# Altium PCB PCB1.pcbdoc (part 2 of 4)
Units mm, origin at the board's own origin, x right, y up, seen from the top; angles counter-clockwise.
Board outline 94.87 x 122.94 mm, 4 copper layers (Top Layer, Inner1, Inner2, Bottom Layer); 129 components, 127 nets, 713 pads, 345 vias.
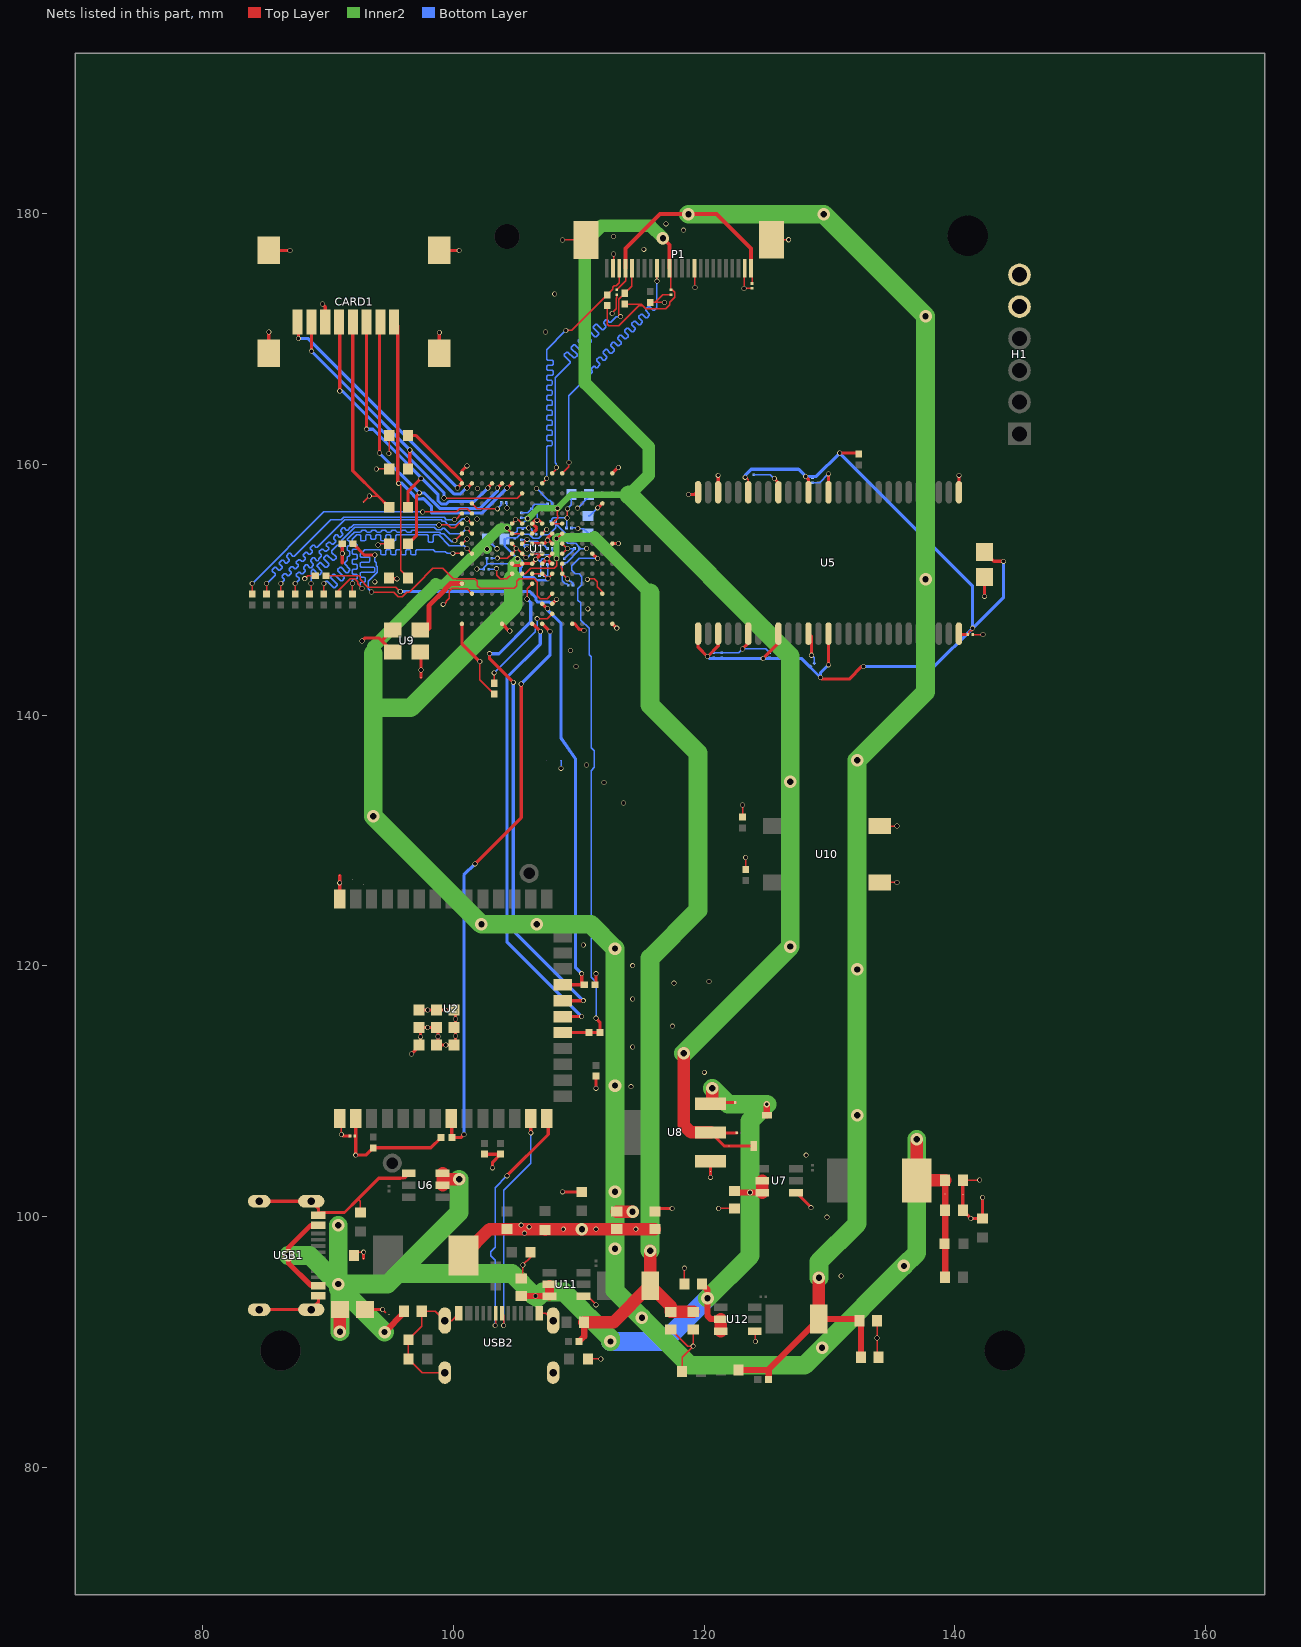
[diagram p4: the nets of this part, all layers, seen from the top]

## Via types
v1: diameter 0.4, hole 0.3, Top Layer to Bottom Layer, 308 vias
v2: diameter 1, hole 0.5, Top Layer to Bottom Layer, 35 vias
v3: diameter 0.5, hole 0.3, Top Layer to Bottom Layer, 2 vias

## Nets (pads, with @x,y where several pads share a name; then routed paths per layer and width w, separated by ;. In a path a pad name is that pad's centre, name@x,y a point inside that pad or via, vN(x,y) a via of type N, cw(c..) or ccw(c..) an arc to the next point about the centre after c; other vN are vias at no path point) (continued)
$2N5507: R23.2 U1.P10 | length 20.1
  Top Layer w0.1: R23.2@89.841,151.13 92.456,151.13 92.562,151.024 92.562,150.836 93.178,150.22 95.398,150.22 v1(95.758,149.86)
  Top Layer w0.254: U1.P10@107.88,148.889 108.204,149.213 v1@108.204,149.225
  Bottom Layer w0.254: v1(95.758,149.86) 106.11,149.86 106.589,149.381 106.589,149.159 106.73,149.018 107.676,149.018 107.776,148.918 107.897,148.918 v1(108.225,149.246)
$2N5509: R24.2 U1.N10 | length 23.9
  Top Layer w0.1: v1(93.472,149.818) 95.231,149.818 95.591,149.458 95.925,149.458 96.285,149.818 96.478,149.818 97.722,151.062 97.722,151.067 98.358,151.703 99.151,151.703 99.983,150.871 101.694,150.871 101.898,150.667 101.898,150.331 102.122,150.107 104.038,150.107 104.045,150.114 104.515,150.114 104.522,150.107 104.838,150.107 105.062,150.331 105.062,150.689 105.244,150.871 106.438,150.871 106.698,150.611 106.698,149.531 106.922,149.307 107.498,149.307 U1.N10@107.88,149.689
  Top Layer w0.254: R24.2@92,153.67 92.889,152.781 v1(93.726,152.781)
  Bottom Layer w0.1: v1(93.472,149.818) 93.218,150.072 93.218,150.697 93.926,151.405 93.926,151.829 93.853,151.902 93.853,152.146 93.726,152.273 v1(93.726,152.781)
$2N5511: R25.2 U1.R10 | length 7.9
  Top Layer w0.1: R25.2@103.251,142.546 v1(103.251,143.383) ; v1(106.68,147.701) 107.492,147.701 U1.R10@107.88,148.089
  Bottom Layer w0.1: v1(103.251,143.383) 106.532,146.664 106.532,146.852 106.68,147 v1(106.68,147.701)
+1V1: C25.2 C27.2 C28.2 C41.1 C42.1 C43.1 C44.1 C49.1 C53.1 C54.1 C61.1 L2.2 pad.55@139.233,101.796 R15.2 U1.G6 U1.G7 U1.L8 U1.L9 U1.L10 | length 172.4
  Top Layer w0.1: v1@104.267,154.94 104.267,154.902 U1.G6@104.68,154.489 U1.G7@105.48,154.489 ; U1.L8@106.28,151.289 U1.L9@107.08,151.289 107.146,151.289 v1(107.539,150.897) 107.88,151.238 U1.L10@107.88,151.289
  Top Layer w0.5: C25.2@139.233,95.162 C28.2@139.233,100.496 pad.55@139.233,101.796 C27.2@139.233,102.909
  Top Layer w1: v2(136.969,106.172) L2.2@136.969,102.864 137.014,102.909 C27.2@139.233,102.909
  Inner2 w0.7: 98.601,150.439 98.614,150.426 ; 103.835,154.932 v1(104.275,154.932)
  Inner2 w0.8: 98.601,150.439 99.936,150.439 ; 99.418,150.613 101.342,152.537 101.403,152.537 101.844,152.978 101.844,153.039 102.371,153.567 ; 99.949,150.426 99.936,150.439 ; v1(102.689,153.249) 102.371,153.567 ; 103.835,154.932 103.813,154.909 103.714,154.909 102.371,153.567 ; v1@105.039,152.302 104.728,151.99 104.728,150.859 104.308,150.439 99.936,150.439
  Inner2 w1: 93.612,145.444 96.696,148.528 96.696,148.534 98.601,150.439
  Inner2 w1.5: 93.609,144.917 93.609,140.564 ; 104.728,150.859 104.775,150.812 104.775,148.785 96.579,140.589 93.634,140.589 93.609,140.564 ; v2(136.969,106.172) 136.969,97.091 v2(135.94,96.062) v2(129.41,89.532) 128.016,88.138 118.841,88.138 v2(115.042,91.937) 112.89,94.089 v2(112.89,97.437) v2(112.89,101.976) v2(112.89,110.453) v2(112.89,121.382) 110.955,123.317 v2(106.641,123.317) v2(102.235,123.317) v2(93.609,131.943) 93.609,140.564
  Bottom Layer w0.1: C61.1@104.205,154.051 104.309,154.155 105.057,154.155 105.33,154.427 106.05,154.427 106.357,154.12 106.801,154.12 107.09,154.411 107.609,154.411 108.145,154.948 108.145,155.194 ; C53.1@107.256,151.13 107.442,151.13 107.51,151.062 C49.1@107.51,152.019 ; C43.1@108.145,155.448 108.145,155.194 ; C44.1@109.161,154.178 109.161,154.289 108.256,155.194 108.145,155.194
  Bottom Layer w0.2: C61.1@104.078,154.051 104.078,153.518 v1(105.117,152.479) 105.245,152.479 105.339,152.385 105.339,152.381 105.445,152.275 105.445,151.859 C54.1@105.351,151.765 105.351,151.316 105.664,151.003 106.422,151.003 106.676,150.749 107.525,150.749 v1@107.539,150.762
+1V8: C29.1 C32.2 C35.1 C62.1 C63.1 P1.11 pad.55@121.997,105.627 R38.2 R39.2 U1.F10 U1.F11 U8.2 | length 124.4
  Top Layer w0.1: v1(108.312,156.504) 108.312,156.262 108.298,156.247 108.298,155.931 108.312,155.917 108.312,155.721 U1.F10@107.88,155.289 U1.F11@108.68,155.289 ; R38.2@112.268,172.668 112.268,172.205 112.264,172.201 112.264,171.2 112.395,171.069 113.177,171.069 114.776,172.668 115.112,172.668 ; R39.2@113.665,172.795 114.985,172.795 115.112,172.668 ; P1.11@117.237,175.655 117.336,175.557 117.336,174.458 117.348,174.446 C35.1@117.348,173.931 ; 117.459,173.931 117.66,173.73 117.66,173.352 117.242,172.934 117.242,172.756 116.924,172.437 115.343,172.437 115.112,172.668
  Top Layer w0.254: C29.1@122.614,106.68 120.546,106.68 121.599,105.627 pad.55@121.997,105.627 C32.2@123.952,105.627
  Top Layer w0.3: v2(116.713,178.054) 117.237,177.53 P1.11@117.237,175.655
  Top Layer w1: v2(118.364,113.03) 118.364,107.315 118.97,106.709 U8.2@120.517,106.709
  Inner2 w0.5: v1(105.928,155.689) 105.965,155.689 106.781,156.504 v1(108.312,156.504) 108.491,156.683 108.491,156.713 109.353,157.575 114.014,157.575
  Inner2 w1: 114.014,157.575 115.57,159.131 115.57,161.417 110.49,166.497 110.49,177.71 111.813,179.033 115.734,179.033 v2(116.713,178.054)
  Inner2 w1.5: 114.014,157.575 126.873,144.716 v2(126.873,134.685) v2(126.873,121.539) v2(118.364,113.03)
  Bottom Layer w0.1: C63.1@105.41,155.761 105.856,155.761 v1(105.928,155.689) 105.537,155.298 C62.1@105.537,155.262
+2V5: C65.2 C67.2 C68.2 L3.2 R41.2 U1.G11 U1.L7 | length 86.3
  Top Layer w0.1: U1.L7@105.48,151.289 105.74,151.289 106.158,151.707 108.038,151.707 108.262,151.931 108.262,152.247 108.232,152.277 v1(108.232,152.489) ; v1(108.232,154.089) 108.632,154.489 U1.G11@108.68,154.489
  Top Layer w0.5: R41.2@110.034,90.043 110.428,90.437 C65.2@110.428,91.567
  Top Layer w1: C65.2@110.428,91.567 112.773,91.567 L3.2@115.694,94.488 ; v2(115.694,97.282) L3.2@115.694,94.488 ; C67.2@119.126,92.394 C68.2@117.348,92.394 117.348,92.834 L3.2@115.694,94.488
  Inner2 w0.5: v1(108.232,152.489) v1(108.232,154.089)
  Inner2 w0.7: v1(108.232,154.089) 108.321,154.178 111.252,154.178
  Inner2 w1: 111.252,154.178 115.694,149.736
  Inner2 w1.5: v2(115.694,97.282) 115.694,120.619 119.507,124.432 119.507,136.989 115.694,140.802 115.694,149.736
+2V8: C34.1 C70.2 C72.2 C73.2 C74.1 L4.2 P1.4 P1.24 R47.2 | length 139.5
  Top Layer w0.1: C34.1@113.03,173.931 113.738,174.639 P1.4@113.738,175.655 ; P1.24@123.739,175.652 123.825,175.566 C74.1@123.825,174.439
  Top Layer w0.3: P1.4@113.738,175.655 113.738,177.23 116.488,179.98 120.986,179.98 123.739,177.227 P1.24@123.739,175.652
  Top Layer w0.5: C70.2@122.747,87.757 125.092,87.757 ; R47.2@125.147,86.995 125.147,87.702 125.092,87.757 ; C73.2@132.396,91.694 132.269,91.821 L4.2@129.156,91.821 125.092,87.757 ; C72.2@132.523,88.773 C73.2@132.523,91.567
  Top Layer w1: L4.2@129.159,91.824 v2(129.159,95.123)
  Inner2 w1.5: v2(118.745,179.959) v2(129.54,179.959) v2(137.668,171.831) v2(137.668,150.833) 137.668,141.859 v2(132.207,136.398) v2(132.207,119.716) v2(132.207,108.091) 132.207,99.441 129.159,96.393 v2(129.159,95.123)
+3V3: C8.1 C10.1 C11.1 C12.1 C13.1 C14.1 C15.2 C16.2 C17.2 C19.2 C22.2 C23.2 C37.1 C39.1 C40.1 C45.1 C46.1 C47.1 C48.1 C50.1 C51.1 C52.1 C55.1 C56.1 C57.1 C58.1 C59.1 CARD1.4 H1.5 L1.2 pad.55@92.806,156.993 R1.2 R3.1 R4.1 R5.2 R7.2 R11.2 R16.2 R17.2 R18.2 R19.2 R20.2 R21.2 R22.2 R23.1 U1.F6 U1.F7 U1.G9 U1.H6 U1.H7 U1.H11 U1.J6 U1.J7 U1.J11 U1.K11 U1.L6 U1.L11 U2.2 U5.1 U5.3 U5.9 U5.14 U5.27 U5.43 U5.49 U9.1 U9.4 | length 156.7
  Top Layer w0.1: v1(88.14,150.887) 88.383,151.13 R23.1@88.975,151.13 ; pad.55@92.806,156.993 v1(93.293,157.48) 93.985,157.48 93.987,157.482 ; v1(93.853,159.639) R18.2@94.878,159.639 ; v1(93.98,153.585) 94.065,153.67 R17.2@94.878,153.67 ; v1@94.878,160.909 R19.2@94.878,162.306 ; v1(103.432,151.689) 103.462,151.659 103.462,151.167 103.753,150.876 104.267,150.876 U1.L6@104.68,151.289 ; v1@103.505,152.527 103.702,152.527 103.722,152.507 104.298,152.507 U1.J6@104.68,152.889 105.008,153.217 v1(105.008,153.288) ; U1.H6@104.68,153.689 105.008,153.361 v1(105.008,153.288) ; U1.F6@104.68,155.289 104.948,155.557 v1(104.948,155.607) 105.162,155.607 U1.F7@105.48,155.289 ; U1.H7@105.48,153.689 105.528,153.689 v1(105.864,154.025) ; v1@105.791,152.527 105.791,152.578 U1.J7@105.48,152.889 105.081,153.288 v1(105.008,153.288) ; U1.G9@107.08,154.489 107.404,154.813 v1(107.442,154.813) ; U1.K11@108.68,152.089 108.68,151.962 108.585,151.867 108.585,151.765 108.68,151.67 U1.L11@108.68,151.289 v1(109.093,150.876) ; U1.J11@108.68,152.889 109.08,153.289 v1(109.093,153.289) 108.693,153.689 U1.H11@108.68,153.689 ; v1(123.277,158.977) 123.344,158.977 123.521,158.8 U5.49@123.521,157.788 ; C14.1@141.029,146.431 141.112,146.514 141.112,146.625 141.23,146.743 141.341,146.743 141.419,146.821 v1(141.419,146.939)
  Top Layer w0.254: CARD1.4@91.975,171.374 91.975,159.494 93.987,157.482 R20.2@94.878,156.591 ; U2.2@92.324,107.836 92.202,107.714 v1(92.202,104.902) 93.016,104.902 R7.2@93.599,105.485 98.194,105.485 R5.2@99.008,106.299 ; v1(92.71,145.923) 92.931,146.144 94.07,146.144 94.291,145.923 ; R16.2@94.874,150.952 94.949,150.876 v1(95.504,150.876) ; U9.1@95.166,145.048 94.291,145.923 ; U9.4@95.166,146.798 94.291,145.923 ; R21.2@102.489,104.977 R22.2@103.759,104.977 103.124,104.342 v1(103.124,103.886) ; R3.1@111.304,118.491 111.379,118.566 v1(111.379,119.38) ; v1(111.379,110.236) R4.1@111.379,111.2 ; U5.1@119.521,146.631 119.521,145.422 v1(120.269,144.674) 121.121,145.526 U5.3@121.121,146.504 ; v1(124.714,144.526) 125.921,145.733 U5.9@125.921,146.504 ; v1(128.103,159.044) 128.321,158.826 U5.43@128.321,157.788 ; v1(129.286,143.002) 129.413,142.875 131.572,142.875 132.588,143.891 v1(132.715,143.891) ; v1(129.921,144.018) U5.14@129.921,146.504 ; v1(130.81,160.909) 132.259,160.909 R1.2@132.334,160.834 ; U5.27@140.321,146.504 140.394,146.431 C14.1@141.029,146.431 ; C8.1@142.367,153.019 143.113,152.273 v1(143.891,152.273)
  Top Layer w1: L1.2@100.79,96.901 102.884,98.995 C19.2@104.267,98.995 107.262,98.995 R11.2@107.315,98.942 107.368,98.995 v1(108.764,98.995) v2(110.25,98.995) v1(111.378,98.995) C23.2@113.03,98.995 v1(114.549,98.995) C22.2@116.078,98.995
  Bottom Layer w0.1: C51.1@102.811,151.638 103.381,151.638 v1(103.432,151.689) ; C56.1@103.065,152.527 103.489,152.527 v1(103.497,152.519) ; C37.1@104.208,156.972 104.267,156.913 v1(104.267,156.524) ; C45.1@105.41,153.992 105.831,153.992 v1(105.864,154.025) 106.034,153.855 106.674,153.855 106.792,153.737 106.792,153.626 C46.1@106.875,153.543 107.247,153.543 C47.1@107.501,153.289 ; v1(105.791,152.568) 105.891,152.568 C57.1@106.231,152.908 ; C50.1@106.621,156.464 107.621,156.464 107.808,156.651 107.808,156.762 C39.1@107.891,156.845 107.891,156.956 107.69,157.157 107.564,157.157 v1(106.632,158.089) ; C52.1@108.839,152.468 C55.1@109.66,153.289 v1(109.093,153.289) ; v1(109.093,150.876) 109.289,150.68 109.341,150.68 109.542,150.479 C48.1@109.542,150.368 ; C40.1@109.415,154.94 109.877,154.94 v1(109.926,154.89) 110.348,154.89 C59.1@110.744,154.494 ; v1(109.904,156.512) 110.809,157.417 C58.1@110.809,157.607
  Bottom Layer w0.254: v1(120.269,144.674) 120.417,144.526 v1(124.714,144.526) 127.762,144.526 v1(129.286,143.002) 129.286,143.383 v1(129.921,144.018) ; v1(123.277,158.977) 123.277,159.125 123.765,159.612 127.535,159.612 v1(128.103,159.044) 128.945,159.044 v1(130.81,160.909) 141.419,150.3 v1(141.419,146.939) ; v1(132.715,143.891) 138.371,143.891 v1(141.419,146.939) ; v1(143.891,152.273) 143.891,149.411 v1(141.419,146.939)
  other v1: 105.664,98.679 106.045,99.187 105.41,99.314 93.726,150.636 94.844,160.876
+5V: C20.2 C26.2 C30.1 C31.2 C33.2 C66.2 C71.2 U6.2 U6.3 U7.2 U7.3 U8.3 U11.2 U11.3 U12.2 U12.3 USB1.A4B9 USB1.B4A9 | length 113.2
  Top Layer w0.254: U8.3@120.904,109.093 C30.1@122.487,109.093
  Top Layer w0.4: USB1.B4A9@89.23,94.501 88.633,94.501 86.83,96.304 86.83,97.508 88.623,99.301 USB1.A4B9@89.23,99.301
  Top Layer w0.5: v2(94.507,90.786) 96.074,92.353 C20.2@96.074,92.456 ; C66.2@105.41,93.661 v1(106.553,93.661) 107.645,93.661 U11.3@107.669,93.637 ; C71.2@119.826,94.615 120.269,94.172 v2(120.269,93.492) 120.269,92.075 120.523,91.821 U12.2@121.332,91.821 ; C26.2@122.428,102.046 122.554,101.92 v3(123.665,101.92) U7.3@124.634,101.92 ; C31.2@125.005,108.077 v3(125.005,108.966)
  Top Layer w0.7: U11.3@107.669,93.637 U11.2@107.669,94.587
  Top Layer w1: v2(90.948,90.805) C33.2@90.948,92.583 ; U6.2@99.14,102.491 99.14,102.97 ; U6.3@99.14,103.439 99.14,102.97 ; v2(100.457,102.97) 99.14,102.97 ; U8.3@120.517,109.009 120.65,109.142 v2(120.65,110.236) ; U12.3@121.332,90.871 U12.2@121.332,91.819 ; U7.3@124.634,101.92 U7.2@124.634,102.868
  Inner2 w1.5: v2(86.816,96.901) 88.519,96.901 v2(90.805,94.615) ; v2(90.805,99.301) v2(90.805,94.615) ; v2(90.948,90.805) 90.948,94.091 v2@90.805,94.234 ; v2(94.507,90.786) 91.059,94.234 v2@90.805,94.234 ; v2(100.457,102.97) 100.457,100.33 95.59,95.463 ; v1(106.553,93.661) 106.457,93.661 104.655,95.463 95.59,95.463 ; v1@106.68,93.534 107.126,93.98 108.839,93.98 110.277,92.542 110.277,92.508 110.923,91.862 110.957,91.862 112.522,90.297 v2(112.522,90.043) ; v2(120.269,93.492) 123.665,96.888 v3(123.665,101.92) 123.665,107.626 v3(125.005,108.966) 121.92,108.966 v2(120.65,110.236) ; v2@90.805,94.234 v2(90.805,94.615) ; v2(90.805,94.615) 94.742,94.615 95.59,95.463
  Bottom Layer w1.5: v2(112.522,90.043) 116.82,90.043 v2(120.269,93.492)
CCLK: R6.1 R6.2 U1.J14 U2.19 | length 44.6
  Top Layer w0.254: U2.19@108.844,114.681 R6.1@110.819,114.681 R6.2@111.685,114.681 111.685,115.518 v1(111.379,115.824) ; U1.J14@111.08,152.889 111.463,152.506 v1(111.506,152.506)
  Bottom Layer w0.1: v1(111.379,115.824) 111.379,118.703 110.977,119.105 110.977,135.577 111.252,135.852 111.252,137.16 110.998,137.414 110.977,137.414 110.977,144.674 110.825,144.826 110.825,146.928 110.167,147.586 110.167,148.951 109.938,149.18 109.938,150.07 110.257,150.389 110.257,151.043 110.022,151.278 109.736,151.278 109.451,151.562 109.451,151.93 110.027,152.506 v1(111.506,152.506)
CRYSTAL: U1.M1 U9.3 | length 5.9
  Top Layer w0.4: U9.3@97.366,146.798 97.874,146.798 98.044,146.968 98.044,148.717 99.324,149.997 99.324,150.044 99.765,150.485 99.812,150.485 99.816,150.489 U1.M1@100.68,150.489
D0: R26.1 U1.E2 | length 21
  Top Layer w0.1: R26.1@83.947,149.658 v1(83.947,150.495) ; v1@97.536,156.21 100.261,156.21 100.522,156.471 101.098,156.471 U1.E2@101.48,156.089
  Bottom Layer w0.1: v1(83.947,150.495) 89.662,156.21 v1(97.546,156.21)
D1: R27.1 U1.E1 | length 21.1
  Top Layer w0.1: R27.1@85.09,149.658 v1(85.09,150.495) ; v1(100.076,155.604) 100.195,155.604 U1.E1@100.68,156.089
  Bottom Layer w0.1: v1(85.09,150.495) 85.775,151.18 85.775,151.28 85.558,151.498 85.558,151.598 85.74,151.78 85.84,151.78 86.058,151.563 86.158,151.563 86.341,151.746 86.341,151.846 86.123,152.063 86.123,152.163 86.306,152.346 86.406,152.346 86.624,152.129 86.724,152.129 86.906,152.311 86.906,152.411 86.689,152.629 86.689,152.729 86.872,152.912 86.972,152.912 87.189,152.694 87.289,152.694 90.199,155.604 91.059,155.604 91.237,155.782 99.269,155.782 99.447,155.604 v1(100.076,155.604)
D2: R28.1 U1.F2 | length 21.5
  Top Layer w0.1: R28.1@86.233,149.658 v1(86.233,150.495) ; v1(101.089,155.659) 101.11,155.659 U1.F2@101.48,155.289
  Bottom Layer w0.1: v1(86.233,150.495) 86.487,150.749 86.487,150.849 86.333,151.003 86.333,151.103 86.516,151.286 86.616,151.286 86.77,151.132 86.87,151.132 87.053,151.315 87.053,151.415 86.899,151.569 86.899,151.669 87.082,151.852 87.182,151.852 87.336,151.698 87.436,151.698 87.618,151.88 87.618,151.98 87.464,152.134 87.464,152.234 87.647,152.417 87.747,152.417 87.901,152.263 88.001,152.263 88.184,152.446 88.184,152.546 88.03,152.7 88.03,152.8 88.213,152.983 88.313,152.983 88.467,152.829 88.567,152.829 88.75,153.012 88.75,153.112 88.596,153.266 88.596,153.366 88.779,153.549 88.879,153.549 89.033,153.395 89.133,153.395 91.32,155.582 99.017,155.582 99.127,155.473 99.295,155.473 99.566,155.202 100.243,155.202 100.699,155.659 v1(101.089,155.659)
D3: R29.1 U1.F1 | length 20.7
  Top Layer w0.1: R29.1@87.376,149.658 v1(87.376,150.495) ; v1(98.851,155.18) 99.55,155.18 99.782,154.948 100.116,154.948 100.474,155.306 100.663,155.306 U1.F1@100.68,155.289
  Bottom Layer w0.1: v1(87.376,150.495) 87.695,150.814 87.695,150.914 87.478,151.132 87.478,151.232 87.661,151.415 87.761,151.415 87.88,151.295 87.98,151.295 88.163,151.478 88.163,151.578 88.043,151.697 88.043,151.797 88.226,151.98 88.326,151.98 88.544,151.763 88.644,151.763 88.827,151.946 88.827,152.046 88.609,152.263 88.609,152.363 88.792,152.546 88.892,152.546 89.11,152.329 89.21,152.329 89.262,152.381 89.262,152.477 89.474,152.69 89.474,152.79 89.305,152.959 89.305,153.059 89.488,153.242 89.588,153.242 89.757,153.072 89.857,153.072 90.04,153.255 90.04,153.355 89.871,153.525 89.871,153.625 90.053,153.807 90.153,153.807 90.323,153.638 90.423,153.638 90.606,153.821 90.606,153.921 90.436,154.09 90.436,154.19 90.619,154.373 90.719,154.373 90.888,154.204 90.988,154.204 91.171,154.387 91.171,154.487 91.002,154.656 91.002,154.756 91.185,154.939 91.285,154.939 91.454,154.769 91.554,154.769 91.763,154.978 91.859,154.978 92.061,155.18 v1(98.851,155.18)
D4: R30.1 U1.G2 | length 21.3
  Top Layer w0.1: R30.1@88.519,149.658 88.646,149.785 v1(88.646,150.495) ; v1(101.074,154.892) 101.077,154.892 U1.G2@101.48,154.489
  Bottom Layer w0.1: v1(88.646,150.495) 88.646,151.482 88.792,151.628 88.81,151.628 89.222,151.216 89.322,151.216 89.505,151.399 89.505,151.499 89.093,151.911 89.093,151.929 89.358,152.194 89.376,152.194 89.788,151.782 89.888,151.782 90.071,151.965 90.071,152.065 89.659,152.477 89.659,152.577 89.842,152.76 89.942,152.76 90.354,152.348 90.454,152.348 90.636,152.531 90.636,152.631 90.297,152.97 90.297,153.133 90.723,153.559 90.823,153.559 91.041,153.341 91.141,153.341 91.324,153.523 91.324,153.623 91.106,153.842 91.106,153.942 92.144,154.98 98.482,154.98 98.684,154.778 99.017,154.778 99.144,154.905 99.253,154.905 99.705,154.453 100.634,154.453 v1(101.074,154.892)
D5: R31.1 U1.G1 | length 21
  Top Layer w0.1: R31.1@89.662,149.658 v1(89.662,150.495) ; v1(100.11,153.924) 100.115,153.924 U1.G1@100.68,154.489
  Bottom Layer w0.1: v1(89.662,150.495) 89.841,150.674 89.941,150.674 90.45,150.165 90.55,150.165 90.733,150.348 90.733,150.448 90.224,150.957 90.224,151.057 90.406,151.239 90.506,151.239 91.016,150.73 91.116,150.73 91.298,150.913 91.298,151.013 90.789,151.522 90.789,151.622 90.953,151.786 91.053,151.786 91.465,151.374 91.565,151.374 91.748,151.556 91.748,151.656 91.336,152.069 91.336,152.169 91.536,152.369 91.536,152.627 91.607,152.697 91.648,152.697 91.719,152.768 91.719,153.027 91.648,153.097 91.607,153.097 91.536,153.168 91.536,153.427 91.607,153.497 91.648,153.497 91.719,153.568 91.719,153.827 91.648,153.897 91.607,153.897 91.536,153.968 91.536,154.042 91.982,154.488 92.004,154.488 92.094,154.578 92.579,154.578 92.65,154.649 92.65,154.68 92.721,154.751 92.979,154.751 93.05,154.68 93.05,154.649 93.121,154.578 93.379,154.578 93.45,154.649 93.45,154.68 93.521,154.751 93.779,154.751 93.85,154.68 93.85,154.649 93.921,154.578 94.179,154.578 94.25,154.649 94.25,154.68 94.321,154.751 94.579,154.751 94.65,154.68 94.65,154.649 94.721,154.578 94.979,154.578 95.05,154.649 95.05,154.68 95.121,154.751 95.379,154.751 95.45,154.68 95.45,154.649 95.521,154.578 95.779,154.578 95.85,154.649 95.85,154.68 95.921,154.751 96.179,154.751 96.25,154.68 96.25,154.649 96.321,154.578 96.579,154.578 96.65,154.649 96.65,154.68 96.721,154.751 96.979,154.751 97.05,154.68 97.05,154.649 97.121,154.578 98.905,154.578 98.995,154.488 99.224,154.488 99.878,153.834 100.02,153.834 v1(100.11,153.924)
D6: R32.1 U1.J1 | length 20.9
  Top Layer w0.1: R32.1@90.805,149.658 90.805,149.921 91.781,150.897 92.115,150.897 92.35,150.662 92.35,150.474 v1(92.71,150.114) ; v1(99.949,152.908) 100.661,152.908 U1.J1@100.68,152.889
  Bottom Layer w0.1: v1(92.71,150.114) 92.562,150.262 92.562,150.546 92.633,150.617 92.897,150.617 92.968,150.687 92.968,150.946 92.897,151.017 92.633,151.017 92.562,151.087 92.562,151.346 92.633,151.417 93.655,151.417 93.726,151.487 93.726,151.746 93.655,151.817 92.633,151.817 92.562,151.887 92.562,152.146 92.633,152.217 93.274,152.217 93.345,152.287 93.345,152.546 93.274,152.617 92.633,152.617 92.562,152.687 92.562,152.821 92.924,153.183 94.142,153.183 94.213,153.112 94.213,152.852 94.283,152.781 94.542,152.781 94.613,152.852 94.613,153.112 94.683,153.183 94.942,153.183 95.013,153.112 95.013,152.852 95.083,152.781 95.342,152.781 95.413,152.852 95.413,153.112 95.483,153.183 95.742,153.183 95.813,153.112 95.813,152.852 95.883,152.781 96.142,152.781 96.213,152.852 96.213,153.112 96.283,153.183 96.542,153.183 96.613,153.112 96.613,152.852 96.683,152.781 96.942,152.781 97.013,152.852 97.013,153.112 97.083,153.183 98.404,153.183 98.531,153.056 99.354,153.056 99.502,152.908 v1(99.949,152.908)
D7: R34.1 U1.J2 | length 21
  Top Layer w0.1: R34.1@91.948,149.658 v1(91.948,150.495) ; v1(101.092,153.289) 101.092,153.277 U1.J2@101.48,152.889
  Bottom Layer w0.1: v1(91.948,150.495) 91.948,150.769 92.019,150.84 92.262,150.84 92.333,150.911 92.333,151.169 92.262,151.24 92.019,151.24 91.948,151.311 91.948,151.569 92.019,151.64 92.262,151.64 92.333,151.711 92.333,151.969 92.262,152.04 92.019,152.04 91.948,152.111 91.948,152.369 92.019,152.44 92.262,152.44 92.333,152.511 92.333,152.769 92.262,152.84 92.019,152.84 91.948,152.911 91.948,153.169 92.019,153.24 92.262,153.24 92.333,153.311 92.333,153.569 92.262,153.64 92.019,153.64 91.948,153.711 91.948,154.051 92.275,154.378 92.524,154.378 92.594,154.307 92.594,153.969 92.665,153.898 92.924,153.898 92.994,153.969 92.994,154.307 93.065,154.378 93.324,154.378 93.394,154.307 93.394,154.11 93.465,154.04 93.724,154.04 93.794,154.11 93.794,154.307 93.865,154.378 94.124,154.378 94.194,154.307 94.194,153.969 94.265,153.898 94.524,153.898 94.594,153.969 94.594,154.307 94.665,154.378 94.924,154.378 94.994,154.307 94.994,153.969 95.065,153.898 95.324,153.898 95.394,153.969 95.394,154.307 95.465,154.378 97.919,154.378 97.989,154.307 97.989,153.868 98.06,153.797 98.319,153.797 98.389,153.868 98.389,154.307 98.46,154.378 98.823,154.378 99.679,153.522 100.859,153.522 v1(101.092,153.289)
DIN: U1.T8 U2.20 | length 36.6
  Top Layer w0.254: U1.T8@106.28,147.289 106.33,147.289 v1(106.934,146.685) ; U2.20@108.844,115.951 v1(110.236,115.951)
  Bottom Layer w0.254: v1(106.934,146.685) 106.934,145.669 104.267,143.002 104.267,121.92 v1(110.236,115.951)
DN: U2.13 USB2.A7 | length 18.5
  Top Layer w0.1: USB2.A7@103.882,92.278 104.013,92.147 v1(104.013,91.313)
  Top Layer w0.254: v1(106.172,106.68) 106.172,107.714 U2.13@106.294,107.836
  Bottom Layer w0.1: v1(104.013,91.313) 104.013,102.108 106.172,104.267 v1(106.172,106.68)
DONE: pad.55@109.22,137.16 R3.2 U1.P9 U2.22 | length 33.3
  Top Layer w0.254: U1.P9@107.08,148.889 107.45,148.519 v1(107.498,148.519) ; U2.22@108.844,118.491 R3.2@110.438,118.491 110.236,118.693 v1(110.236,119.38)
  Bottom Layer w0.254: v1(107.498,148.519) 107.498,148.407 108.585,147.32 108.585,138.176 109.728,136.525 109.728,119.888 v1(110.236,119.38)
DOUT: U1.M8 U2.21 | length 40
  Top Layer w0.1: v1(105.88,149.274) 105.88,150.089 U1.M8@106.28,150.489
  Top Layer w0.254: v1(102.87,144.907) 102.87,144.526 v1(104.775,142.621) ; U2.21@108.844,117.221 v1(110.363,117.221)
  Bottom Layer w0.254: v1(102.87,144.907) 103.632,144.907 106.164,147.439 106.164,148.99 v1(105.88,149.274) ; v1(104.775,142.621) 104.775,122.809 v1(110.363,117.221)
DP: U2.14 USB2.A6 | length 19.5
  Top Layer w0.1: v1@103.382,91.313 USB2.A6@103.382,92.278
  Top Layer w0.254: v1(104.267,103.251) 107.564,106.548 U2.14@107.564,107.836
  Bottom Layer w0.1: v1(103.334,91.313) 103.334,96.503 102.976,96.861 102.976,97.195 103.334,97.553 103.334,102.318 v1(104.267,103.251)
FSCL: P1.5 R39.1 U1.A10 | length 27
  Top Layer w0.1: U1.A10@107.88,159.289 108.204,159.613 v1(108.204,159.766) ; v1(113.327,171.788) 113.193,171.922 113.193,173.162 113.665,173.634 R39.1@113.665,173.661 114.237,174.233 P1.5@114.237,175.655
  Bottom Layer w0.1: v1(108.204,159.766) 108.204,160.052 108.123,160.132 108.123,166.923 109.312,168.112 109.312,168.212 108.84,168.684 108.84,168.784 109.023,168.967 109.123,168.967 109.595,168.495 109.695,168.495 109.878,168.678 109.878,168.778 109.406,169.25 109.406,169.35 109.589,169.533 109.689,169.533 110.161,169.061 110.261,169.061 110.444,169.244 110.444,169.344 109.972,169.816 109.972,169.916 110.155,170.099 110.255,170.099 110.727,169.626 110.827,169.626 111.01,169.809 111.01,169.909 110.587,170.331 110.587,170.431 110.77,170.614 110.87,170.614 111.292,170.192 111.392,170.192 111.575,170.375 111.575,170.475 111.153,170.897 111.153,170.997 111.336,171.18 111.436,171.18 111.858,170.758 111.958,170.758 112.164,170.963 112.164,171.063 111.974,171.253 111.974,171.353 112.157,171.536 112.257,171.536 112.447,171.346 112.547,171.346 112.988,171.788 v1(113.327,171.788)
FSDA: P1.3 R38.1 U1.B9 | length 27
  Top Layer w0.1: U1.B9@107.08,158.489 107.442,158.851 v1(107.442,158.877) ; v1(108.966,170.688) 109.422,170.688 R38.1@112.268,173.534 112.718,173.984 112.718,174.12 112.836,174.238 112.972,174.238 113.237,174.503 P1.3@113.237,175.655
  Bottom Layer w0.1: v1(107.442,158.877) 107.442,161.431 107.513,161.502 107.829,161.502 107.9,161.573 107.9,161.831 107.829,161.902 107.513,161.902 107.442,161.973 107.442,162.242 107.513,162.313 107.829,162.313 107.9,162.383 107.9,162.642 107.829,162.713 107.513,162.713 107.442,162.783 107.442,163.042 107.513,163.113 107.829,163.113 107.9,163.183 107.9,163.442 107.829,163.513 107.513,163.513 107.442,163.583 107.442,163.842 107.513,163.913 107.829,163.913 107.9,163.983 107.9,164.242 107.829,164.313 107.513,164.313 107.442,164.383 107.442,164.642 107.513,164.713 107.829,164.713 107.9,164.783 107.9,165.042 107.829,165.113 107.513,165.113 107.442,165.183 107.442,165.442 107.513,165.513 107.829,165.513 107.9,165.583 107.9,165.842 107.829,165.913 107.513,165.913 107.442,165.983 107.442,166.242 107.513,166.313 107.829,166.313 107.9,166.383 107.9,166.642 107.829,166.713 107.513,166.713 107.442,166.783 107.442,167.042 107.513,167.113 107.879,167.113 107.95,167.183 107.95,167.442 107.879,167.513 107.513,167.513 107.442,167.583 107.442,167.842 107.513,167.913 107.879,167.913 107.95,167.983 107.95,168.242 107.879,168.313 107.513,168.313 107.442,168.383 107.442,169.164 v1(108.966,170.688)
GND: C8.2 C10.2 C11.2 C12.2 C13.2 C14.2 C15.1 C16.1 C17.1 C20.1 C22.1 C23.1 C26.1 C27.1 C28.1 C33.1 C34.2 C35.2 C37.2 C39.2 C40.2 C41.2 C42.2 C43.2 C44.2 C45.2 C46.2 C47.2 C48.2 C49.2 C50.2 C51.2 C52.2 C53.2 C54.2 C55.2 C56.2 C57.2 C58.2 C59.2 C61.2 C62.2 C63.2 C66.1 C67.1 C68.1 C71.1 C72.1 C73.1 C74.2 CARD1.6 CARD1.9 CARD1.10 CARD1.11 CARD1.12 H1.6 P1.2 P1.15 P1.23 P1.25 P1.26 pad.55@90.927,127.195 pad.55@92.837,96.647 pad.55@94.869,92.202 pad.55@97.409,143.002 pad.55@108.585,136.398 pad.55@120.517,103.597 pad.55@140.633,101.756 R9.1 R10.1 R12.1 R14.1 R24.1 R25.1 R35.2 R36.2 R37.2 R40.1 R42.2 R43.2 R45.1 R46.1 U1.A1 U1.A16 U1.D2 U1.D15 U1.F8 U1.F9 U1.G8 U1.G10 U1.H1 U1.H8 U1.H9 U1.H10 U1.H16 U1.J8 U1.J9 U1.J10 U1.K6 U1.K7 U1.K8 U1.K9 U1.K10 U1.N2 U1.N15 U1.T1 U1.T5 U1.T12 U1.T16 U2.1 U2.40 U2.41 U5.6 U5.12 U5.28 U5.41 U5.46 U5.52 U5.54 U6.4 U7.4 U8.1 U9.2 U10.2 U10.4 U11.4 U12.4 USB1.1 USB1.2 USB1.3 USB1.4 USB1.A1B12 USB1.B1A12 USB2.1 USB2.2 USB2.3 USB2.4 USB2.A1B12 USB2.B1A12 | length 193.9
  Top Layer w0.1: U2.1@90.927,107.836 91.054,107.709 v1(91.054,106.553) ; R10.1@92.066,96.901 92.32,97.155 v1(92.837,97.155) ; 92.407,101.415 92.583,101.239 R9.1@92.583,100.321 ; v1(94.361,92.583) 94.615,92.329 ; v1(99.187,148.844) 99.261,148.844 99.42,149.003 99.42,149.088 99.674,149.342 99.674,149.9 99.909,150.135 100.436,150.135 100.494,150.077 101.092,150.077 U1.N2@101.48,149.689 ; USB2.3@99.312,87.554 97.494,87.554 R42.2@96.402,88.646 R43.2@96.402,90.17 97.474,91.242 C20.1@97.474,92.456 98.559,92.456 USB2.1@99.312,91.703 99.857,91.703 USB2.A1B12@100.432,92.278 ; 100.838,153.797 101.08,154.039 v1(101.08,154.051) ; U1.D2@101.48,156.889 101.905,156.464 102.115,156.464 102.122,156.471 103.238,156.471 103.245,156.464 v1@103.505,156.464 ; v1(102.108,144.272) 102.108,142.823 R25.1@103.251,141.68 ; C66.1@105.41,95.061 105.537,95.188 v1(105.537,96.139) 106.163,96.765 R45.1@106.163,97.155 ; U1.J8@106.28,152.889 U1.J9@107.023,152.889 ; USB2.B1A12@106.832,92.278 107.377,92.278 USB2.2@107.952,91.703 ; v1(108.712,177.909) P1.26@110.582,177.909 ; v1(109.08,155.737) 109.093,155.75 v1(109.093,156.464) ; U11.4@110.369,93.637 110.706,93.637 v1(111.379,92.964) ; v1(110.68,150.841) 110.819,150.841 110.849,150.871 111.238,150.871 111.462,150.647 111.462,150.258 111.88,149.84 U1.N15@111.88,149.689 ; R40.1@110.735,88.646 v1(111.76,88.646) ; v1(112.666,172.035) 112.666,172.102 112.993,172.429 112.993,173.245 113.03,173.282 C34.2@113.03,173.541 ; P1.2@112.738,175.655 112.776,175.694 v1(112.776,176.784) ; R35.2@115.697,172.922 116.094,172.922 ; v1(116.84,172.922) 116.094,172.922 ; C68.1@117.348,90.994 118.68,89.662 v1(119.126,89.662) ; C35.2@117.348,173.541 116.713,173.541 116.094,172.922 ; R46.1@118.246,87.63 118.246,88.782 v1(119.126,89.662) ; C71.1@118.426,94.615 v1(118.426,95.885) ; C67.1@119.126,90.994 v1(119.126,89.662) ; P1.15@119.234,175.654 119.27,175.617 119.27,174.455 119.253,174.437 v1@119.253,174.117 ; v1(121.158,100.646) C26.1@122.428,100.646 ; R36.2@123.063,131.878 v1(123.063,132.842) ; P1.23@123.239,175.652 123.19,175.603 v1(123.19,174.045) 123.194,174.049 C74.2@123.825,174.049 ; R37.2@123.317,127.687 v1(123.317,128.651) ; U12.4@124.032,90.871 124.079,90.824 v1(124.079,90.043) ; P1.25@125.384,177.916 126.735,177.916 v1(126.746,177.927) ; C73.1@133.796,91.694 v1(133.796,90.323) 133.796,88.9 C72.1@133.923,88.773 ; U10.4@133.994,126.655 v1(135.382,126.655) ; U10.2@133.994,131.155 v1(135.382,131.155) ; C27.1@140.633,102.909 v1(141.986,102.909) ; C14.2@141.419,146.431 v1(142.24,146.431)
  Top Layer w0.254: USB1.4@84.506,92.581 USB1.2@88.655,92.581 89.23,93.156 USB1.B1A12@89.23,93.701 ; USB1.3@84.506,101.221 USB1.1@88.655,101.221 89.23,100.646 USB1.A1B12@89.23,100.101 89.451,100.321 91.313,100.321 92.407,101.415 94.05,103.058 95.764,103.058 95.774,103.068 96.069,103.068 U6.4@96.44,103.439 ; CARD1.10@85.275,168.874 v1(85.275,170.565) ; CARD1.9@85.275,177.074 v1(86.96,177.074) ; v1(89.548,172.801) 89.775,172.574 CARD1.6@89.775,171.374 ; pad.55@90.927,127.195 v1(90.927,126.623) 90.927,125.463 U2.40@91.054,125.336 ; v1(91.054,106.553) 91.181,106.426 C17.1@91.753,106.426 ; 91.134,152.146 v1(91.134,152.902) R24.1@91.134,153.67 ; pad.55@92.837,96.647 v1(92.837,97.155) ; C33.1@92.948,92.583 v1(94.361,92.583) ; v1(96.648,112.96) 97.374,113.686 v1(97.374,114.339) 97.374,115.086 v1(97.95,115.086) 98.774,115.086 v1(98.774,114.364) 98.774,113.686 v1(99.394,113.686) 100.174,113.686 v1(100.174,114.408) v1(100.174,115.77) 100.174,116.486 v1(99.325,116.486) U2.41@98.647,116.486 v1(97.95,116.486) U2.41@97.374,116.486 ; U9.2@97.366,145.048 97.409,145.005 v1(97.409,143.607) pad.55@97.409,143.002 ; CARD1.11@98.875,168.874 v1(98.875,170.523) ; CARD1.12@98.875,177.074 v1(100.457,177.074) ; U1.T1@100.68,147.289 100.68,145.7 v1(102.108,144.272) ; U1.A1@100.68,159.289 100.68,159.481 v1(101.092,159.893) ; U1.T5@103.88,147.289 104.463,146.706 v1(104.5,146.706) ; U1.K6@104.68,152.089 104.821,151.948 105.339,151.948 U1.K7@105.48,152.089 U1.K8@106.28,152.089 106.567,152.376 v1(106.567,152.432) 107.023,152.889 U1.J9@107.08,152.889 ; U1.H8@106.28,153.689 U1.H9@107.08,153.689 107.231,153.689 v1(107.499,153.957) ; U1.G8@106.28,154.489 106.632,154.841 106.632,154.937 U1.F8@106.28,155.289 106.534,155.543 v1(106.671,155.543) 106.826,155.543 U1.F9@107.08,155.289 ; U1.K9@107.08,152.089 107.459,152.468 v1(107.459,152.481) ; U1.K10@107.724,152.117 107.724,152.215 v1(107.459,152.481) ; U1.J10@107.88,152.889 107.867,152.889 v1(107.459,152.481) ; U1.H10@107.88,153.689 107.612,153.957 v1(107.499,153.957) ; U1.G10@107.88,154.489 107.499,154.108 v1(107.499,153.957) ; v1(108.712,101.972) R12.1@110.236,101.972 ; U1.T12@109.48,147.289 109.667,147.289 109.821,147.135 109.821,147.099 110.09,146.83 110.35,146.83 v1(110.423,146.757) ; v1@111.506,156.591 111.582,156.591 U1.D15@111.88,156.889 ; U1.T16@112.68,147.289 v1(113.03,146.939) ; U1.H16@112.68,153.689 v1(113.157,153.691) ; U1.A16@112.68,159.289 v1(113.157,159.766) ; C22.1@116.078,100.395 116.329,100.646 v1(117.449,100.646) ; v1(118.745,157.607) 119.213,157.607 U5.54@119.521,157.915 ; v1(120.517,103.134) pad.55@120.517,103.597 U8.1@120.517,104.409 ; U5.52@121.121,157.915 v1(121.121,159.131) ; v1(123.063,145.288) 123.521,145.746 U5.6@123.521,146.504 ; v1(125.603,158.877) 125.921,158.559 U5.46@125.921,157.788 ; U7.4@127.334,101.92 128.524,100.73 v1(128.524,100.711) ; U5.12@128.321,146.504 128.575,146.25 v1(128.575,144.78) ; U5.41@129.921,157.915 v1(129.921,159.258) ; U5.28@140.321,157.788 140.335,157.802 v1(140.335,159.131) ; C27.1@140.633,102.909 pad.55@140.633,101.756 C28.1@140.633,100.496 v1(141.277,99.852) R14.1@142.219,99.852 v1(142.219,101.512) ; v1(142.367,149.479) C8.2@142.367,151.019
  Top Layer w1: C23.1@113.03,100.395 v2(114.292,100.395)
  Bottom Layer w0.1: v1@101.854,151.638 C51.2@102.421,151.638 102.421,151.749 102.675,152.003 ; C56.2@102.675,152.527 102.675,152.003 ; C61.2@102.678,154.051 102.692,154.051 v1(103.467,153.276) ; v1(103.504,156.465) 103.818,156.779 C37.2@103.818,156.972 ; C41.2@104.902,154.5 105.08,154.678 105.08,154.937 105.472,154.937 C62.2@105.537,154.872 105.602,154.937 v1(106.007,154.937) 106.107,154.937 106.23,154.814 106.23,154.754 106.466,154.518 106.526,154.518 C42.2@106.612,154.432 ; C54.2@104.961,151.765 104.635,152.091 102.763,152.091 102.675,152.003 ; C45.2@105.41,153.602 C45.2@105.519,153.602 ; C63.2@105.41,156.151 105.918,156.151 C50.2@106.231,156.464 ; v1(105.866,153.256) C45.2@105.519,153.602 ; v1(106.567,152.432) 106.706,152.432 106.949,152.19 ; v1(106.671,155.543) 106.671,156.024 106.543,156.152 106.432,156.152 106.314,156.27 106.314,156.381 C50.2@106.231,156.464 ; C53.2@106.866,151.13 106.949,151.213 106.949,151.919 107.049,152.019 C49.2@107.12,152.019 106.949,152.19 ; C39.2@107.501,156.845 106.501,156.845 106.314,156.658 106.314,156.547 C50.2@106.231,156.464 ; C43.2@107.755,155.448 107.838,155.531 107.838,155.642 107.956,155.76 108.334,155.76 108.357,155.737 v1(109.08,155.737) 109.025,155.682 C40.2@109.025,154.94 ; C47.2@107.891,153.289 107.891,152.913 107.791,152.813 ; v1(108.585,135.763) pad.55@108.585,136.398 ; C44.2@108.771,154.178 108.771,154.067 109.137,153.701 109.749,153.701 110.05,153.4 C55.2@110.05,153.289 ; v1(109.093,156.464) 109.409,156.78 C58.2@109.409,157.607 ; C48.2@109.152,150.368 109.046,150.474 108.926,150.474 108.691,150.709 108.691,151.93 C52.2@108.839,152.078 108.922,152.161 109.033,152.161 110.05,153.178 C55.2@110.05,153.289 ; v1@110.617,153.289 C55.2@110.05,153.289 ; C59.2@110.744,155.894 110.857,155.894 v1(111.506,156.544) ; C10.2@120.777,144.975 C11.2@121.412,144.975 122.75,144.975 v1(123.063,145.288) 124.909,145.288 C12.2@125.222,144.975 ; C16.1@123.952,159.19 125.29,159.19 v1(125.603,158.877) ; v1(128.575,144.78) 128.789,144.566 C13.2@128.789,144.156 ; C15.1@128.651,158.555 129.218,158.555 v1(129.921,159.258) ; C45.2@105.519,153.602 106.426,153.602 C46.2@106.485,153.543 106.538,153.49 106.538,152.991 C57.2@106.621,152.908 106.716,152.813 107.791,152.813 ; 106.949,152.19 106.949,152.331 107.099,152.481 v1(107.459,152.481) 107.791,152.813
  other v1: 130.937,95.25 129.794,99.949 128.143,104.902 114.173,110.363 120.015,111.506 114.3,113.538 117.475,115.189 114.3,117.348 117.602,118.618 120.396,118.745 114.3,120.015 110.363,121.666 113.561,132.992 112.014,134.62 110.617,136.017 109.784,143.891 109.347,145.161 110.724,148.485 101.869,151.653 110.632,153.289 101.882,155.659 101.929,158.088 107.336,170.561 108.077,173.609 119.27,174.117 115.189,177.165 112.776,178.181 118.364,178.689 116.967,179.197
HREF: P1.9 U1.A11 | length 27
  Top Layer w0.1: U1.A11@108.68,159.289 109.22,159.829 v1(109.22,160.147) ; v1(116.237,174.625) P1.9@116.237,175.655
  Bottom Layer w0.1: v1(109.22,160.147) 109.22,165.481 111.088,167.349 111.088,167.449 110.998,167.54 110.998,167.64 111.181,167.823 111.281,167.823 111.371,167.732 111.471,167.732 111.682,167.943 111.682,168.043 111.451,168.274 111.451,168.374 111.634,168.557 111.734,168.557 111.965,168.326 112.065,168.326 112.248,168.509 112.248,168.609 111.967,168.89 111.967,168.99 112.15,169.173 112.25,169.173 112.531,168.892 112.631,168.892 112.814,169.075 112.814,169.175 112.533,169.456 112.533,169.556 112.716,169.739 112.816,169.739 113.097,169.458 113.197,169.458 113.379,169.64 113.379,169.74 113.098,170.021 113.098,170.121 113.281,170.304 113.381,170.304 113.662,170.023 113.762,170.023 113.945,170.206 113.945,170.306 113.664,170.587 113.664,170.687 113.847,170.87 113.947,170.87 114.228,170.589 114.328,170.589 114.511,170.772 114.511,170.872 114.23,171.153 114.23,171.253 114.413,171.436 114.513,171.436 114.794,171.155 114.894,171.155 115.077,171.338 115.077,171.438 114.796,171.719 114.796,171.819 114.978,172.001 115.078,172.001 115.359,171.72 115.459,171.72 115.642,171.903 115.642,172.003 115.361,172.284 115.361,172.384 115.544,172.567 115.644,172.567 115.925,172.286 116.025,172.286 116.237,172.498 v1(116.237,174.625)
INITN: pad.55@100.838,127.254 R5.1 U1.T9 U2.8 | length 46.5
  Top Layer w0.254: U2.8@99.944,107.836 99.874,107.766 R5.1@99.874,106.299 100.584,106.299 v1(100.838,106.553) ; v1(101.727,128.143) 105.41,131.826 v1(105.41,142.494) ; U1.T9@107.08,147.289 107.684,146.685 v1(107.696,146.685)
  Bottom Layer w0.254: v1(100.838,106.553) pad.55@100.838,127.254 v1(101.727,128.143) ; v1(105.41,142.494) 107.696,144.78 v1(107.696,146.685)
M_CLK: CARD1.5 U1.C7 | length 24
  Top Layer w0.1: v1(99.242,157.325) 99.259,157.307 105.098,157.307 U1.C7@105.48,157.689
  Top Layer w0.254: CARD1.5@90.875,171.374 90.932,171.317 v1(90.932,165.862)
  Bottom Layer w0.254: v1(90.932,165.862) 91.144,165.862 99.242,157.764 v1(99.242,157.325)
M_CMD: CARD1.3 R20.1 U1.B4 | length 24.7
  Top Layer w0.254: v1(93.075,162.814) CARD1.3@93.075,171.374 ; R20.1@96.384,156.591 96.384,157.852 v1(97.409,158.877) ; v1(102.743,158.115) 102.743,158.152 U1.B4@103.08,158.489
  Bottom Layer w0.254: v1(93.075,162.814) 93.583,162.814 98.763,157.634 98.763,157.126 99.043,156.846 99.44,156.846 99.639,157.045 101.673,157.045 v1(102.743,158.115)
M_D0: CARD1.7 R18.1 U1.B2 | length 21.8
  Top Layer w0.254: v1(88.675,169.037) CARD1.7@88.675,171.374 ; R18.1@96.384,159.639 96.52,159.775 v1(96.52,161.163) ; v1(101.092,158.115) 101.106,158.115 U1.B2@101.48,158.489
  Bottom Layer w0.254: v1(88.675,169.037) 100.076,157.636 100.528,157.636 101.007,158.115 v1(101.092,158.115)
M_D1: CARD1.8 R19.1 U1.B1 | length 25.5
  Top Layer w0.254: CARD1.8@87.575,171.374 87.63,171.319 v1(87.63,170.053) ; R19.1@96.384,162.306 97.019,162.306 100.221,159.104 100.221,159.099 100.49,158.83 100.495,158.83 100.647,158.678 U1.B1@100.647,158.456 ; v1(100.33,158.115) 100.33,158.139 U1.B1@100.647,158.456 ; U1.B1@100.68,158.489 U1.B1@100.647,158.456
  Bottom Layer w0.254: v1(87.63,170.053) 88.392,170.053 v1(100.33,158.115)
M_D2: CARD1.1 R16.1 U1.B6 | length 32.2
  Top Layer w0.1: v1(95.631,158.496) 95.779,158.348 95.779,151.553 R16.1@96.38,150.952
  Top Layer w0.254: CARD1.1@95.275,171.374 95.56,171.089 95.56,158.567 v1(95.631,158.496) ; v1(104.267,158.115) 104.306,158.115 U1.B6@104.68,158.489
  Bottom Layer w0.254: v1(95.631,158.496) 95.885,158.496 96.803,157.578 96.803,157.536 97.084,157.255 97.48,157.255 97.494,157.269 97.619,157.269 98.256,156.632 98.256,156.138 102.29,156.138 v1(104.267,158.115)
M_D3: CARD1.2 R17.1 U1.B5 | length 27.5
  Top Layer w0.254: v1(94.107,160.909) 94.107,171.306 CARD1.2@94.175,171.374 ; R17.1@96.384,153.67 97.067,154.352 97.067,157.519 v1(97.282,157.734) ; v1(103.505,158.115) U1.B5@103.88,158.489
  Bottom Layer w0.254: v1(94.107,160.909) v1(97.282,157.734) 97.654,157.734 98.897,156.492 102.143,156.492 103.505,157.854 v1(103.505,158.115)